# KiCad board Lon6Main.kicad_pcb
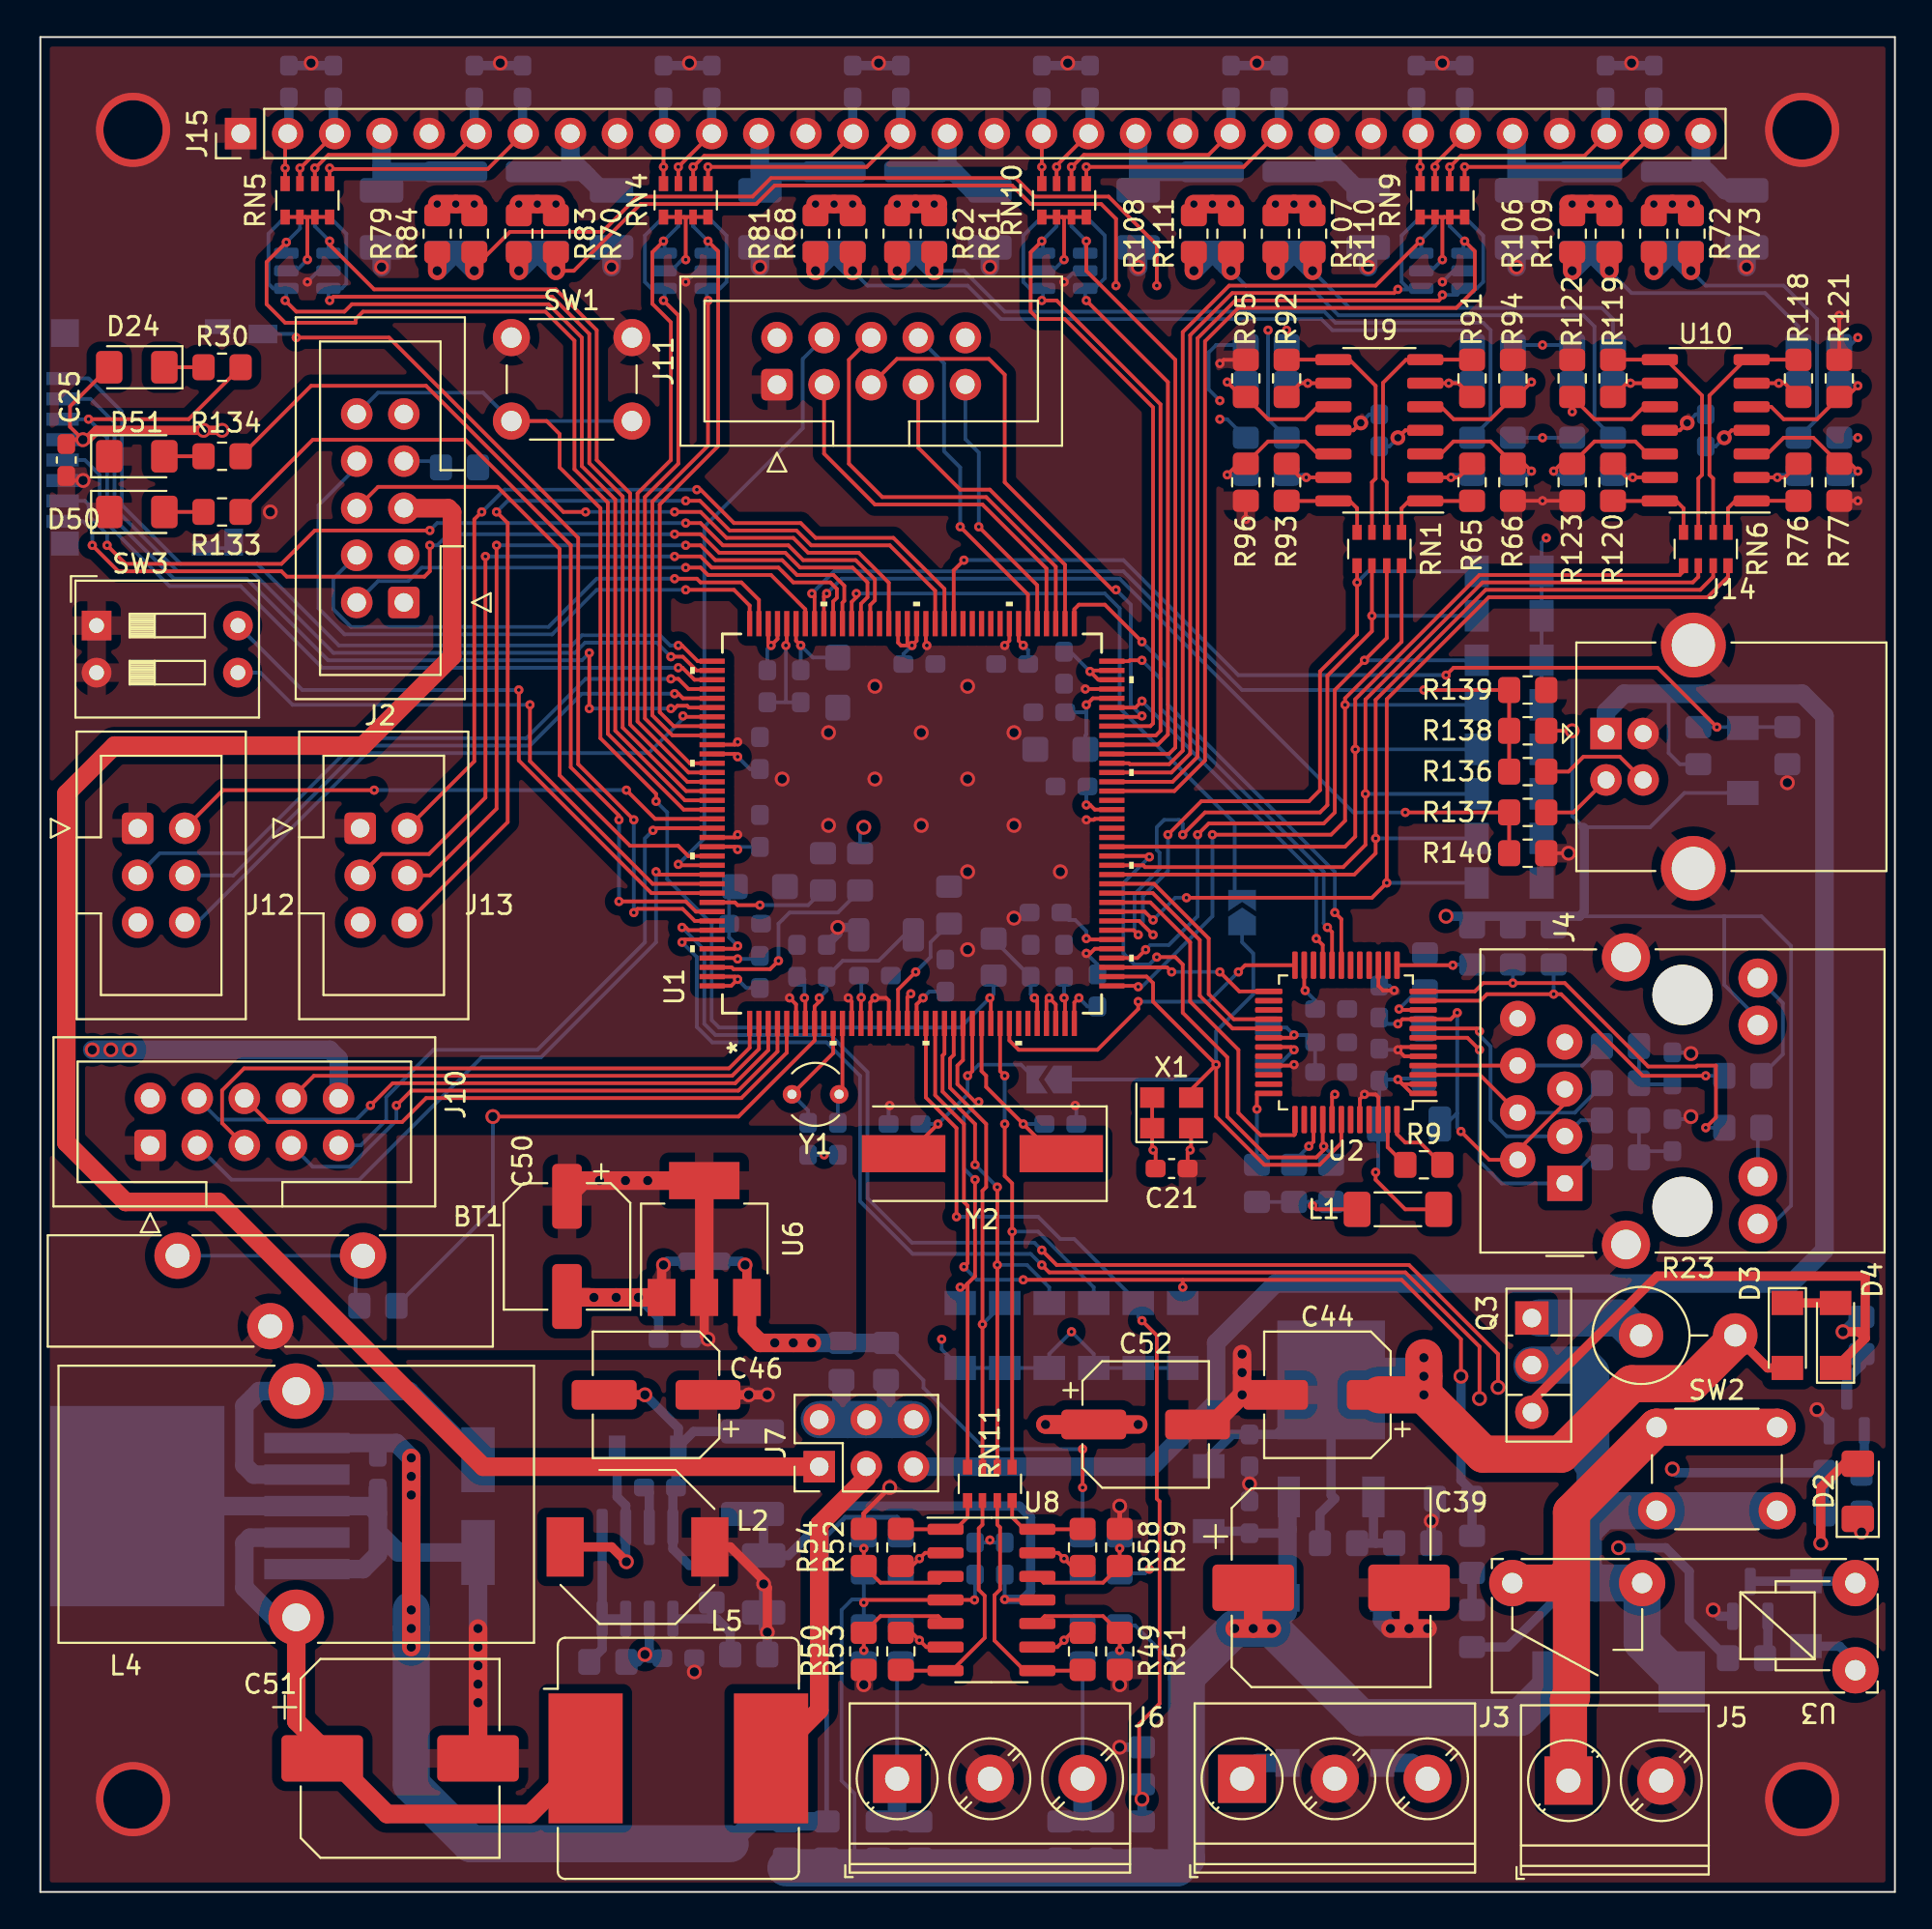
[diagram p0: board, top side]
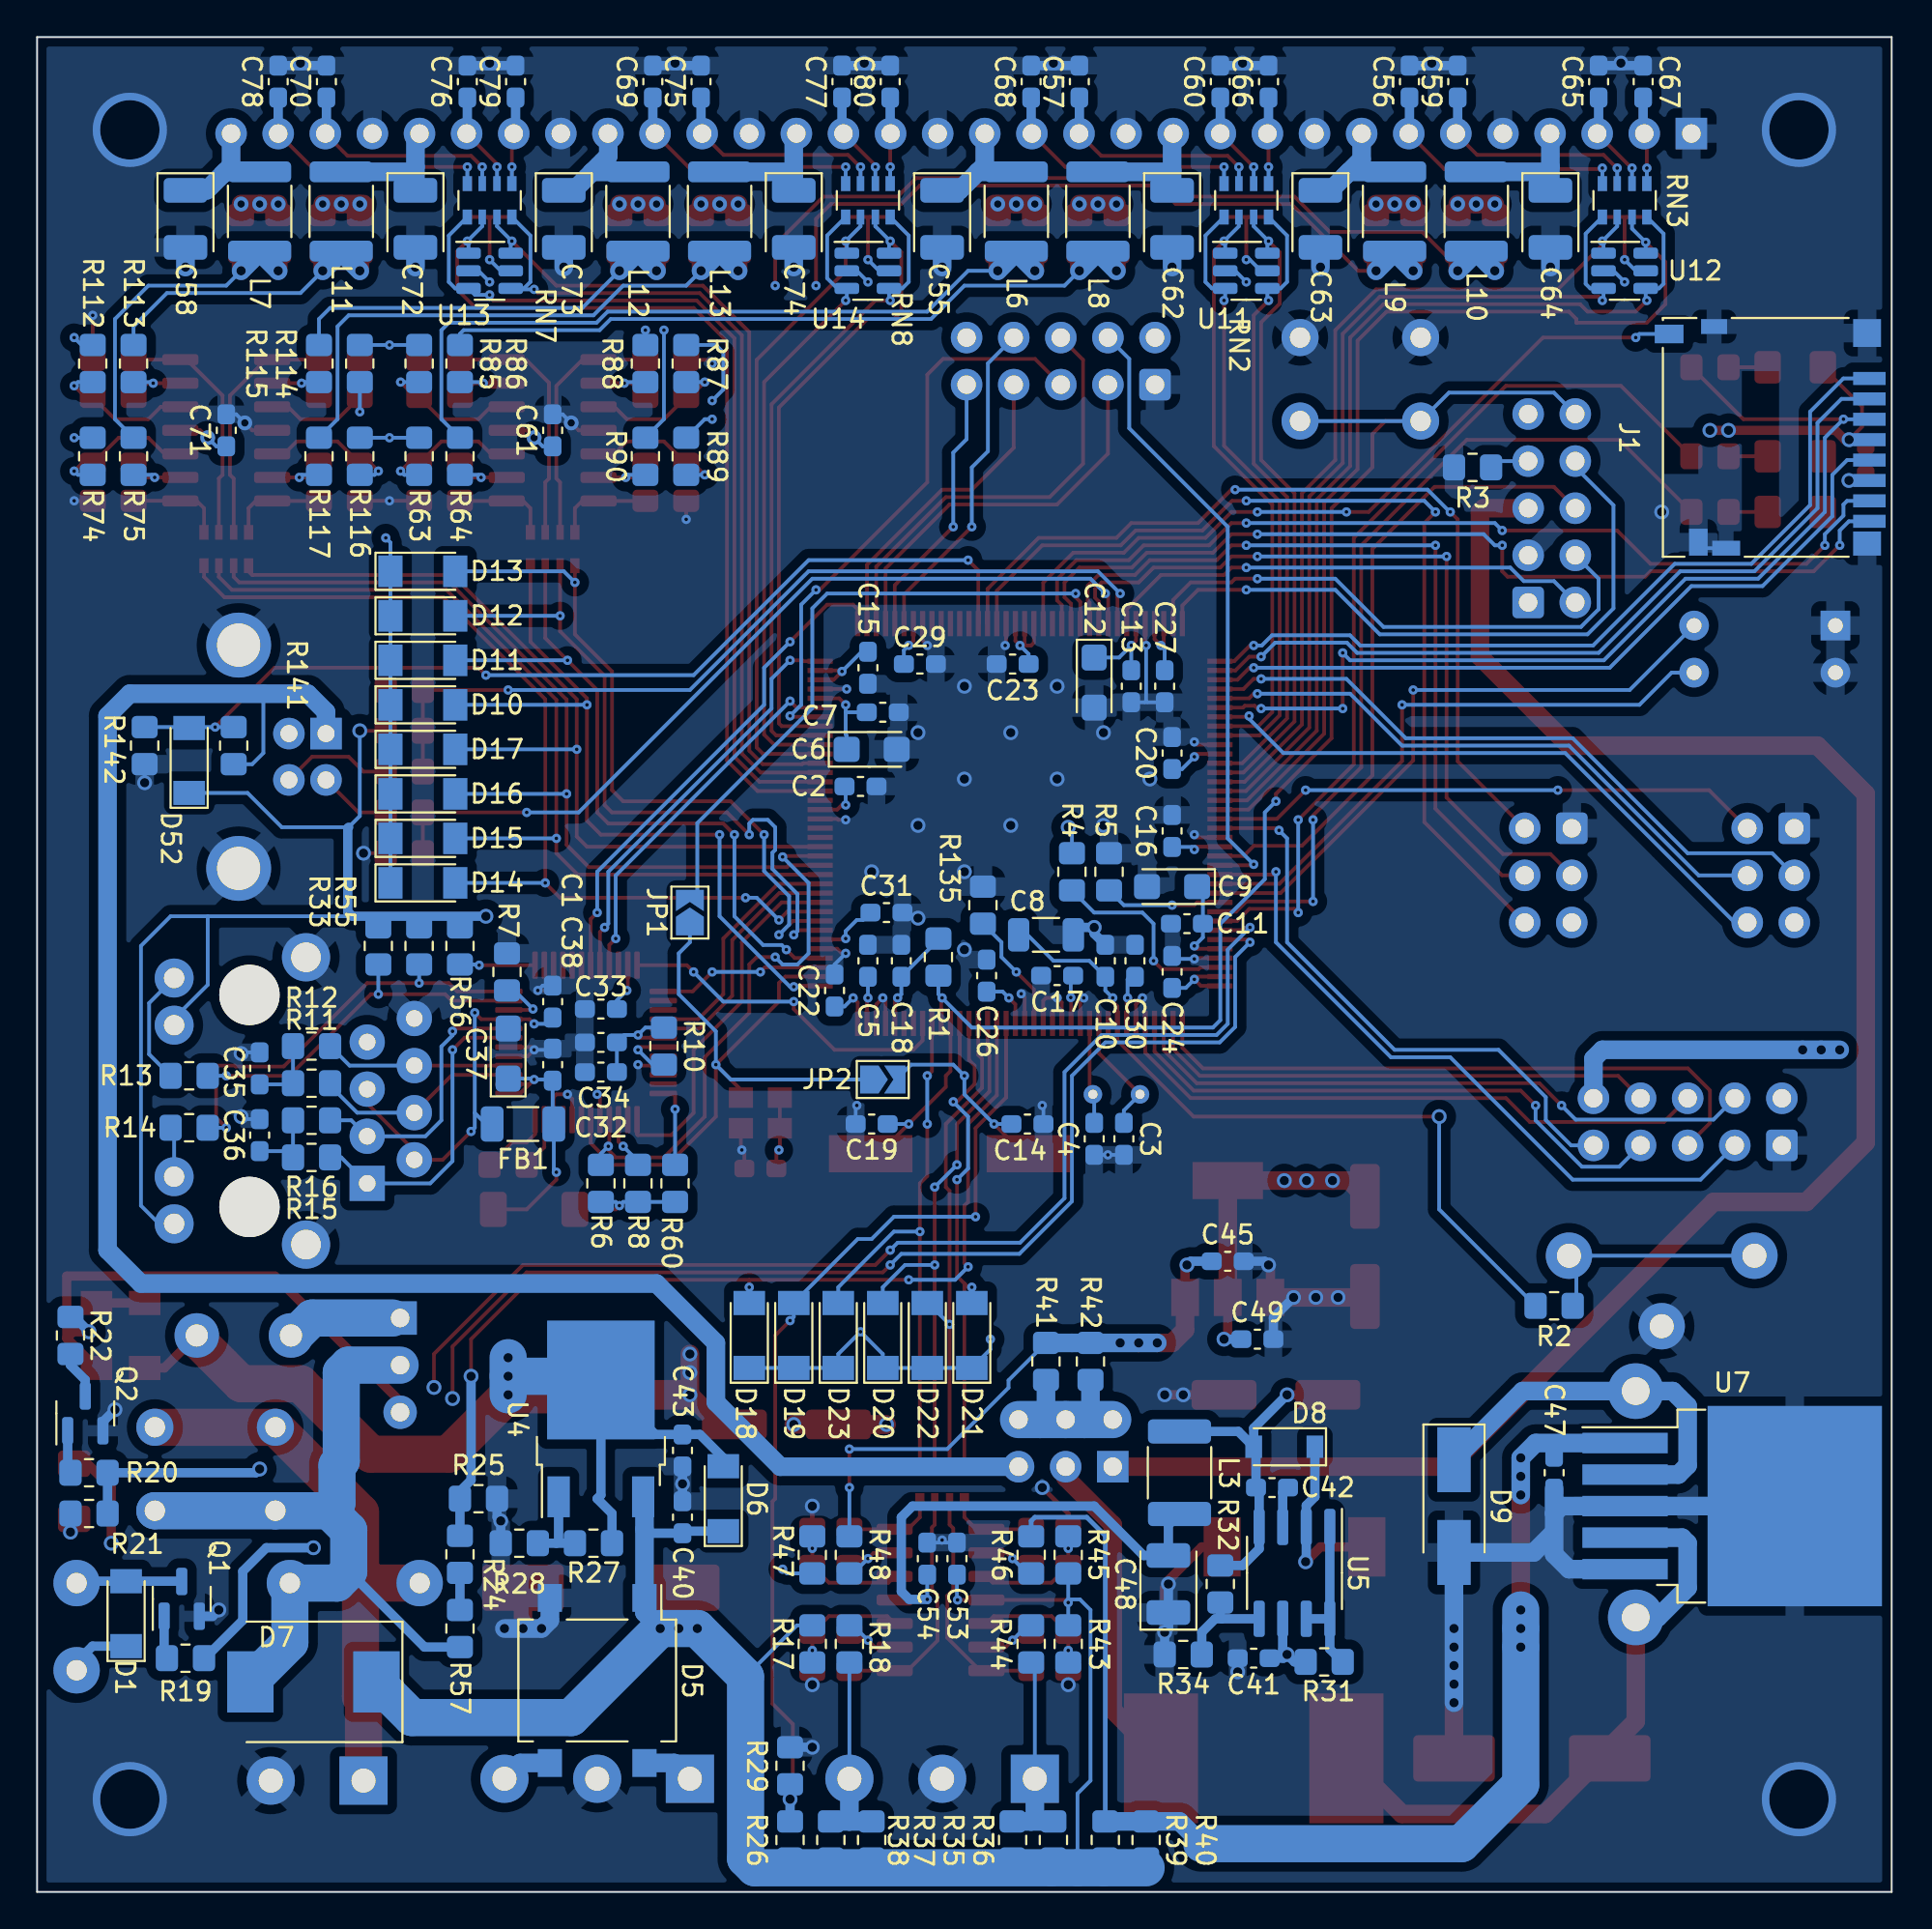
[diagram p1: board, bottom side, seen from below]

Outline 100 x 100 mm; copper layers: Top, In1.Cu, In2.Cu, Bottom. Coordinates in mm from the lower left corner of the outline.
Outline path: 0,100 0,0 100,0 100,100 0,100
Stack: Top 0.035mm / dielectric 1.51mm FR4 er 4.5 / In1.Cu 0.035mm / dielectric 1.51mm FR4 er 4.5 / In2.Cu 0.035mm / dielectric 1.51mm FR4 er 4.5 / Bottom 0.035mm

## Placement (name value [footprint] x y rotation side)
BT1  Battery_Cell  [DS-1092_CR2032_VERTICAL]  12.4 32.4 0 top
C1  100nF  [C_0603_1608Metric_Pad1.08x0.95mm_HandSolder]  72.2 48 90 bottom
C2  100nF  [C_0603_1608Metric_Pad1.08x0.95mm_HandSolder]  55.6 59.6 180 bottom
C3  10pF  [C_0603_1608Metric_Pad1.08x0.95mm_HandSolder]  41.4 40.6 90 bottom
C4  10pF  [C_0603_1608Metric_Pad1.08x0.95mm_HandSolder]  43 40.6 90 bottom
C5  100nF  [C_0603_1608Metric_Pad1.08x0.95mm_HandSolder]  55.2 50.2 90 bottom
C6  2.2uF  [CP_EIA-3216-18_Kemet-A]  55 61.6 180 bottom
C7  100nF  [C_0603_1608Metric_Pad1.08x0.95mm_HandSolder]  54.4 63.6 180 bottom
C8  1uF  [C_1206_3216Metric]  45.6 51.6 180 bottom
C9  2.2uF  [CP_EIA-3216-18_Kemet-A]  38.8 54.2 0 bottom
C10  100nF  [C_0603_1608Metric_Pad1.08x0.95mm_HandSolder]  42.4 50.2 90 bottom
C11  100nF  [C_0603_1608Metric_Pad1.08x0.95mm_HandSolder]  38 52.2 0 bottom
C12  2.2uF  [CP_EIA-3216-18_Kemet-A]  43 65.2 270 bottom
C13  100nF  [C_0603_1608Metric_Pad1.08x0.95mm_HandSolder]  41 65 270 bottom
C14  22pF  [C_0603_1608Metric_Pad1.08x0.95mm_HandSolder]  46.6 41.4 0 bottom
C15  100nF  [C_0603_1608Metric_Pad1.08x0.95mm_HandSolder]  55.2 66 270 bottom
C16  100nF  [C_0603_1608Metric_Pad1.08x0.95mm_HandSolder]  38.8 57.2 90 bottom
C17  100nF  [C_0603_1608Metric_Pad1.08x0.95mm_HandSolder]  45 49.4 0 bottom
C18  100nF  [C_0603_1608Metric_Pad1.08x0.95mm_HandSolder]  53.4 50.2 90 bottom
C19  22pF  [C_0603_1608Metric_Pad1.08x0.95mm_HandSolder]  55 41.4 180 bottom
C20  100nF  [C_0603_1608Metric_Pad1.08x0.95mm_HandSolder]  38.8 61.4 90 bottom
C21  100nF  [C_0603_1608Metric_Pad1.08x0.95mm_HandSolder]  61 39 0 top
C22  100nF  [C_0603_1608Metric_Pad1.08x0.95mm_HandSolder]  57 48.6 90 bottom
C23  100nF  [C_0603_1608Metric_Pad1.08x0.95mm_HandSolder]  47.4 66.2 0 bottom
C24  100nF  [C_0603_1608Metric_Pad1.08x0.95mm_HandSolder]  38.8 49.6 90 bottom
C25  100nF  [C_0603_1608Metric_Pad1.08x0.95mm_HandSolder]  1.4 77.2 270 top
C26  100nF  [C_0603_1608Metric_Pad1.08x0.95mm_HandSolder]  48.8 49.4 90 bottom
C27  100nF  [C_0603_1608Metric_Pad1.08x0.95mm_HandSolder]  39.2 65 270 bottom
C29  100nF  [C_0603_1608Metric_Pad1.08x0.95mm_HandSolder]  52.4 66.2 180 bottom
C30  100nF  [C_0603_1608Metric_Pad1.08x0.95mm_HandSolder]  40.8 50.2 90 bottom
C31  100nF  [C_0603_1608Metric_Pad1.08x0.95mm_HandSolder]  54.2 52.8 180 bottom
C32  100nF  [C_0603_1608Metric_Pad1.08x0.95mm_HandSolder]  69.6 44.2 0 bottom
C33  100nF  [C_0603_1608Metric_Pad1.08x0.95mm_HandSolder]  69.6 47.6 0 bottom
C34  100nF  [C_0603_1608Metric_Pad1.08x0.95mm_HandSolder]  69.6 45.8 0 bottom
C35  100nF  [C_0603_1608Metric_Pad1.08x0.95mm_HandSolder]  88 44.4 270 bottom
C36  100nF  [C_0603_1608Metric_Pad1.08x0.95mm_HandSolder]  88 40.8 270 bottom
C37  2.2uF  [CP_EIA-3216-18_Kemet-A]  74.6 45.2 90 bottom
C38  100nF  [C_0603_1608Metric_Pad1.08x0.95mm_HandSolder]  72.2 44.6 90 bottom
C39  330uF/35V  [CP_Elec_10x10.5]  69.6 16.4 0 top
C40  100nF  [C_0603_1608Metric_Pad1.08x0.95mm_HandSolder]  65.2 20.2 90 bottom
C41  100nF  [C_0603_1608Metric_Pad1.08x0.95mm_HandSolder]  34.4 12.6 0 bottom
C42  390pF  [C_0603_1608Metric_Pad1.08x0.95mm_HandSolder]  33.41 21.8 0 bottom
C43  100nF  [C_0603_1608Metric_Pad1.08x0.95mm_HandSolder]  65.2 23.8 270 bottom
C44  100uF/25V  [CP_Elec_6.3x5.3]  69.4 26.8 180 top
C45  100nF  [C_0603_1608Metric_Pad1.08x0.95mm_HandSolder]  35.8 34 180 bottom
C46  470uF/6.3V  [CP_Elec_6.3x5.9]  33.2 26.8 180 top
C47  100nF  [C_0603_1608Metric_Pad1.08x0.95mm_HandSolder]  18.2 22.6 270 bottom
C48  22uF/6.3V  [CP_EIA-3528-21_Kemet-B]  39 16.6 90 bottom
C49  100nF  [C_0603_1608Metric_Pad1.08x0.95mm_HandSolder]  34.2 29.8 180 bottom
C50  100uF 6.3V  [CP_Elec_6.3x5.7]  28.4 34.8 270 top
C51  1000uF/10V  [CP_Elec_10x10.5]  19.4 7.2 0 top
C52  100uF/10v  [CP_Elec_6.3x5.9]  59.6 25.2 0 top
C53  100nF  [C_0603_1608Metric_Pad1.08x0.95mm_HandSolder]  50.4 17.97 90 bottom
C54  100nF  [C_0603_1608Metric_Pad1.08x0.95mm_HandSolder]  52 17.97 270 bottom
C55  10uF 10V  [CP_EIA-3528-21_Kemet-B]  51.2 90.2 270 bottom
C56  10nF  [C_0603_1608Metric_Pad1.08x0.95mm_HandSolder]  26 97.6 90 bottom
C57  10nF  [C_0603_1608Metric_Pad1.08x0.95mm_HandSolder]  43.8 97.6 90 bottom
C58  10uF 10V  [CP_EIA-3528-21_Kemet-B]  92 90.2 270 bottom
C59  10nF  [C_0603_1608Metric_Pad1.08x0.95mm_HandSolder]  23.4 97.6 90 bottom
C60  10nF  [C_0603_1608Metric_Pad1.08x0.95mm_HandSolder]  36.2 97.6 90 bottom
C61  100nF  [C_0603_1608Metric_Pad1.08x0.95mm_HandSolder]  72.2 78.8 90 bottom
C62  10uF 10V  [CP_EIA-3528-21_Kemet-B]  38.8 90.2 270 bottom
C63  10uF 10V  [CP_EIA-3528-21_Kemet-B]  30.8 90.2 270 bottom
C64  10uF 10V  [CP_EIA-3528-21_Kemet-B]  18.4 90.2 270 bottom
C65  10nF  [C_0603_1608Metric_Pad1.08x0.95mm_HandSolder]  15.8 97.6 90 bottom
C66  10nF  [C_0603_1608Metric_Pad1.08x0.95mm_HandSolder]  33.6 97.6 90 bottom
C67  10nF  [C_0603_1608Metric_Pad1.08x0.95mm_HandSolder]  13.4 97.6 90 bottom
C68  10nF  [C_0603_1608Metric_Pad1.08x0.95mm_HandSolder]  46.4 97.6 90 bottom
C69  10nF  [C_0603_1608Metric_Pad1.08x0.95mm_HandSolder]  66.8 97.6 90 bottom
C70  10nF  [C_0603_1608Metric_Pad1.08x0.95mm_HandSolder]  84.4 97.6 90 bottom
C71  100nF  [C_0603_1608Metric_Pad1.08x0.95mm_HandSolder]  89.8 78.8 90 bottom
C72  10uF 10V  [CP_EIA-3528-21_Kemet-B]  79.6 90.2 270 bottom
C73  10uF 10V  [CP_EIA-3528-21_Kemet-B]  71.6 90.2 270 bottom
C74  10uF 10V  [CP_EIA-3528-21_Kemet-B]  59.2 90.2 270 bottom
C75  10nF  [C_0603_1608Metric_Pad1.08x0.95mm_HandSolder]  64.2 97.6 90 bottom
C76  10nF  [C_0603_1608Metric_Pad1.08x0.95mm_HandSolder]  76.8 97.6 90 bottom
C77  10nF  [C_0603_1608Metric_Pad1.08x0.95mm_HandSolder]  56.6 97.6 90 bottom
C78  10nF  [C_0603_1608Metric_Pad1.08x0.95mm_HandSolder]  87 97.6 90 bottom
C79  10nF  [C_0603_1608Metric_Pad1.08x0.95mm_HandSolder]  74.2 97.6 90 bottom
C80  10nF  [C_0603_1608Metric_Pad1.08x0.95mm_HandSolder]  54 97.6 90 bottom
D1  1n4148  [D_MiniMELF]  95.2 15 90 bottom
D2  ACU_LED  [LED_1206_3216Metric_Pad1.42x1.75mm_HandSolder]  98 21.6 90 top
D3  1n4148  [D_MiniMELF]  94.2 30 270 top
D4  1n4148  [D_MiniMELF]  96.8 30 90 top
D5  DF01S1  [Diode_Bridge_OnSemi_SDIP-4L]  69.8 11.4 270 bottom
D6  1n4148  [D_MiniMELF]  63 21.2 90 bottom
D7  FR3J-DC  [D_SMC]  85.1 11.32 0 bottom
D8  1N5819  [D_SOD-123]  32.75 24 0 bottom
D9  B340A  [D_SMA_Handsoldering]  23.6 20.8 270 bottom
D10  1n4148  [D_MiniMELF]  79.2 64 180 bottom
D11  1n4148  [D_MiniMELF]  79.2 66.4 180 bottom
D12  1n4148  [D_MiniMELF]  79.2 68.8 180 bottom
D13  1n4148  [D_MiniMELF]  79.2 71.2 180 bottom
D14  1n4148  [D_MiniMELF]  79.2 54.4 180 bottom
D15  1n4148  [D_MiniMELF]  79.2 56.8 180 bottom
D16  1n4148  [D_MiniMELF]  79.2 59.2 180 bottom
D17  1n4148  [D_MiniMELF]  79.2 61.6 180 bottom
D18  1n4148  [D_MiniMELF]  61.6 30 90 bottom
D19  1n4148  [D_MiniMELF]  59.2 30 90 bottom
D20  1n4148  [D_MiniMELF]  54.4 30 90 bottom
D21  1n4148  [D_MiniMELF]  49.6 30 90 bottom
D22  1n4148  [D_MiniMELF]  52 30 90 bottom
D23  1n4148  [D_MiniMELF]  56.8 30 90 bottom
D24  LED_SD  [LED_1206_3216Metric_Pad1.42x1.75mm_HandSolder]  5.2 82.2 180 top
D50  LED1  [LED_1206_3216Metric_Pad1.42x1.75mm_HandSolder]  5.2 74.4 0 top
D51  LED2  [LED_1206_3216Metric_Pad1.42x1.75mm_HandSolder]  5.2 77.4 0 top
D52  1n4148  [D_MiniMELF]  91.8 61 90 bottom
FB1  FerriteBead_Small  [L_1206_3216Metric_Pad1.22x1.90mm_HandSolder]  73.8 41.4 0 bottom
J1  Micro_SD_Card_Det  [microSD_HC_Hirose_DM3D-SF]  6.55 78.42 90 bottom
J2  jtag  [IDC-Header_2x05_P2.54mm_Vertical]  19.6 69.52 180 top
J3  AC_IN  [TerminalBlock_Phoenix_PT-1,5-3-5.0-H_1x03_P5.00mm_Horizontal]  64.8 6.1 0 top
J4  -  [RJ45_Bel_SI-60062-F]  82.2 38.2 90 top
J5  ACU  [TerminalBlock_Phoenix_PT-1,5-2-5.0-H_1x02_P5.00mm_Horizontal]  82.4 6 0 top
J6  EXT_AC  [TerminalBlock_Phoenix_PT-1,5-3-5.0-H_1x03_P5.00mm_Horizontal]  46.2 6.1 0 top
J7  Conn_02x03_Odd_Even  [PinHeader_2x03_P2.54mm_Vertical]  42 22.92 90 top
J10  SPI1  [IDC-Header_2x05_P2.54mm_Vertical]  5.92 40.25 90 top
J11  SPI2  [IDC-Header_2x05_P2.54mm_Vertical]  39.72 81.26 90 top
J12  CAN  [IDC-Header_2x03_P2.54mm_Vertical]  5.25 57.34 0 top
J13  USART  [IDC-Header_2x03_P2.54mm_Vertical]  17.25 57.34 0 top
J14  USB_B  [USB_B_OST_USB-B1HSxx_Horizontal]  84.42 62.45 0 top
J15  Conn_01x32  [PinHeader_1x32_P2.54mm_Vertical]  10.8 94.8 90 top
JP1  SolderJumper_2_Open  [SolderJumper-2_P1.3mm_Open_TrianglePad1.0x1.5mm]  64.8 52.8 90 bottom
JP2  SolderJumper_2_Open  [SolderJumper-2_P1.3mm_Open_TrianglePad1.0x1.5mm]  54.4 43.8 180 bottom
L1  4.7uH  [L_1806_4516Metric_Pad1.45x1.90mm_HandSolder]  73.2 36.8 0 top
L2  100uH 0.5A  [L_Bourns-SRU8028_8.0x8.0mm]  32.2 18.6 0 top
L3  1uH  [L_1812_4532Metric_Pad1.30x3.40mm_HandSolder]  38.4 22.6 270 bottom
L4  100uH 5A  [L_Toroid_Vertical_L25.4mm_W14.7mm_P12.20mm_Vishay_TJ5_BigPads]  13.8 27 0 top
L5  22uH 5A  [L_Bourns_SRR1208_12.7x12.7mm]  34.4 7.2 0 top
L6  1uH 0.8A  [L_1812_4532Metric]  47.2 90.6 90 bottom
L7  1uH 0.8A  [L_1812_4532Metric]  88 90.6 90 bottom
L8  1uH 0.8A  [L_1812_4532Metric]  42.8 90.6 90 bottom
L9  1uH 0.8A  [L_1812_4532Metric]  26.8 90.6 90 bottom
L10  1uH 0.8A  [L_1812_4532Metric]  22.4 90.6 90 bottom
L11  1uH 0.8A  [L_1812_4532Metric]  83.6 90.6 90 bottom
L12  1uH 0.8A  [L_1812_4532Metric]  67.6 90.6 90 bottom
L13  1uH 0.8A  [L_1812_4532Metric]  63.2 90.6 90 bottom
Q1  BC847  [SOT-23]  92.2 15.8 90 bottom
Q2  BC847  [SOT-23]  97.4 25.8 90 bottom
Q3  BD140  [TO-126-3_Vertical]  80.43 30.94 270 top
R1  1k  [R_0805_2012Metric_Pad1.20x1.40mm_HandSolder]  51.4 50.4 270 bottom
R2  100  [R_0805_2012Metric_Pad1.20x1.40mm_HandSolder]  18.2 31.6 0 bottom
R3  100  [R_0805_2012Metric_Pad1.20x1.40mm_HandSolder]  22.6 76.8 0 bottom
R4  1k  [R_0805_2012Metric_Pad1.20x1.40mm_HandSolder]  44.2 55 90 bottom
R5  1k  [R_0805_2012Metric_Pad1.20x1.40mm_HandSolder]  42.2 55 90 bottom
R6  10k  [R_0805_2012Metric_Pad1.20x1.40mm_HandSolder]  69.6 38.2 90 bottom
R7  10k  [R_0805_2012Metric_Pad1.20x1.40mm_HandSolder]  74.66 49.6 270 bottom
R8  10k  [R_0805_2012Metric_Pad1.20x1.40mm_HandSolder]  67.6 38.2 90 bottom
R9  6.8k 1%  [R_0805_2012Metric_Pad1.20x1.40mm_HandSolder]  74.6 39.2 0 top
R10  10k  [R_0805_2012Metric_Pad1.20x1.40mm_HandSolder]  66.2 45.6 90 bottom
R11  50R  [R_0805_2012Metric_Pad1.20x1.40mm_HandSolder]  85.2 43.6 180 bottom
R12  50R  [R_0805_2012Metric_Pad1.20x1.40mm_HandSolder]  85.2 45.6 180 bottom
R13  1k  [R_0805_2012Metric_Pad1.20x1.40mm_HandSolder]  91.8 44 0 bottom
R14  1k  [R_0805_2012Metric_Pad1.20x1.40mm_HandSolder]  91.8 41.2 0 bottom
R15  50R  [R_0805_2012Metric_Pad1.20x1.40mm_HandSolder]  85.2 39.6 180 bottom
R16  50R  [R_0805_2012Metric_Pad1.20x1.40mm_HandSolder]  85.2 41.6 180 bottom
R17  2k 1%  [R_0805_2012Metric_Pad1.20x1.40mm_HandSolder]  58.2 13.37 270 bottom
R18  2k 1%  [R_0805_2012Metric_Pad1.20x1.40mm_HandSolder]  56.2 13.37 90 bottom
R19  4.7k  [R_0805_2012Metric_Pad1.20x1.40mm_HandSolder]  92 12.6 180 bottom
R20  4.7k  [R_0805_2012Metric_Pad1.20x1.40mm_HandSolder]  97.2 22.6 180 bottom
R21  1k  [R_0805_2012Metric_Pad1.20x1.40mm_HandSolder]  97.2 20.4 0 bottom
R22  1k  [R_0805_2012Metric_Pad1.20x1.40mm_HandSolder]  98.2 30 90 bottom
R23  1R 1W  [R_Axial_DIN0516_L15.5mm_D5.0mm_P5.08mm_Vertical]  86.31 30 0 top
R24  2k 1%  [R_0805_2012Metric_Pad1.20x1.40mm_HandSolder]  77.2 18.2 270 bottom
R25  1k 1%  [R_0805_2012Metric_Pad1.20x1.40mm_HandSolder]  76.2 21.2 0 bottom
R26  18k 1%  [R_0805_2012Metric_Pad1.20x1.40mm_HandSolder]  59.4 2.8 270 bottom
R27  100  [R_0805_2012Metric_Pad1.20x1.40mm_HandSolder]  70 18.8 180 bottom
R28  1k  [R_0805_2012Metric_Pad1.20x1.40mm_HandSolder]  74 18.8 180 bottom
R29  2k 1%  [R_0805_2012Metric_Pad1.20x1.40mm_HandSolder]  59.4 6.8 270 bottom
R30  1k  [R_0805_2012Metric_Pad1.20x1.40mm_HandSolder]  9.8 82.2 0 top
R31  0.33R  [R_0805_2012Metric_Pad1.20x1.40mm_HandSolder]  30.6 12.4 180 bottom
R32  1.5k  [R_0805_2012Metric_Pad1.20x1.40mm_HandSolder]  36.2 16.6 90 bottom
R33  10k  [R_0805_2012Metric_Pad1.20x1.40mm_HandSolder]  81.6 51 90 bottom
R34  4.7k  [R_0805_2012Metric_Pad1.20x1.40mm_HandSolder]  38.2 12.8 180 bottom
R35  0.5R  [R_0805_2012Metric_Pad1.20x1.40mm_HandSolder]  47.4 2.8 270 bottom
R36  0.5R  [R_0805_2012Metric_Pad1.20x1.40mm_HandSolder]  45.2 2.8 270 bottom
R37  0.5R  [R_0805_2012Metric_Pad1.20x1.40mm_HandSolder]  55 2.8 270 bottom
R38  0.5R  [R_0805_2012Metric_Pad1.20x1.40mm_HandSolder]  57.2 2.8 270 bottom
R39  0.5R  [R_0805_2012Metric_Pad1.20x1.40mm_HandSolder]  42.4 2.8 90 bottom
R40  0.5R  [R_0805_2012Metric_Pad1.20x1.40mm_HandSolder]  40.2 2.8 90 bottom
R41  0.5R  [R_0805_2012Metric_Pad1.20x1.40mm_HandSolder]  45.6 28.6 90 bottom
R42  0.5R  [R_0805_2012Metric_Pad1.20x1.40mm_HandSolder]  43.2 28.6 90 bottom
R43  2k 1%  [R_0805_2012Metric_Pad1.20x1.40mm_HandSolder]  44.4 13.37 270 bottom
R44  2k 1%  [R_0805_2012Metric_Pad1.20x1.40mm_HandSolder]  46.4 13.37 90 bottom
R45  2k 1%  [R_0805_2012Metric_Pad1.20x1.40mm_HandSolder]  44.4 18.17 90 bottom
R46  2k 1%  [R_0805_2012Metric_Pad1.20x1.40mm_HandSolder]  46.4 18.17 270 bottom
R47  2k 1%  [R_0805_2012Metric_Pad1.20x1.40mm_HandSolder]  58.2 18.17 90 bottom
R48  2k 1%  [R_0805_2012Metric_Pad1.20x1.40mm_HandSolder]  56.2 18.17 270 bottom
R49  18k 1%  [R_0805_2012Metric_Pad1.20x1.40mm_HandSolder]  56.2 12.97 270 top
R50  18k 1%  [R_0805_2012Metric_Pad1.20x1.40mm_HandSolder]  46.4 12.97 270 top
R51  18k 1%  [R_0805_2012Metric_Pad1.20x1.40mm_HandSolder]  58.2 12.97 270 top
R52  18k 1%  [R_0805_2012Metric_Pad1.20x1.40mm_HandSolder]  46.4 18.57 90 top
R53  18k 1%  [R_0805_2012Metric_Pad1.20x1.40mm_HandSolder]  44.4 12.97 270 top
R54  18k 1%  [R_0805_2012Metric_Pad1.20x1.40mm_HandSolder]  44.4 18.57 90 top
R55  10k  [R_0805_2012Metric_Pad1.20x1.40mm_HandSolder]  79.4 51 90 bottom
R56  10k  [R_0805_2012Metric_Pad1.20x1.40mm_HandSolder]  77.2 51 90 bottom
R57  2k 1%  [R_0805_2012Metric_Pad1.20x1.40mm_HandSolder]  77.2 14.2 270 bottom
R58  18k 1%  [R_0805_2012Metric_Pad1.20x1.40mm_HandSolder]  56.2 18.57 90 top
R59  18k 1%  [R_0805_2012Metric_Pad1.20x1.40mm_HandSolder]  58.2 18.57 90 top
R60  10k  [R_0805_2012Metric_Pad1.20x1.40mm_HandSolder]  65.6 38.2 90 bottom
R61  0.5 1%  [R_0805_2012Metric_Pad1.20x1.40mm_HandSolder]  48.2 89.4 90 top
R62  0.5 1%  [R_0805_2012Metric_Pad1.20x1.40mm_HandSolder]  46.2 89.4 90 top
R63  2k 1%  [R_0805_2012Metric_Pad1.20x1.40mm_HandSolder]  79.4 77.4 270 bottom
R64  2k 1%  [R_0805_2012Metric_Pad1.20x1.40mm_HandSolder]  77.2 77.4 270 bottom
R65  18k 1%  [R_0805_2012Metric_Pad1.20x1.40mm_HandSolder]  77.2 76 270 top
R66  18k 1%  [R_0805_2012Metric_Pad1.20x1.40mm_HandSolder]  79.4 76 270 top
R68  0.5 1%  [R_0805_2012Metric_Pad1.20x1.40mm_HandSolder]  43.8 89.4 90 top
R70  0.5 1%  [R_0805_2012Metric_Pad1.20x1.40mm_HandSolder]  27.8 89.4 90 top
R72  0.5 1%  [R_0805_2012Metric_Pad1.20x1.40mm_HandSolder]  87 89.4 90 top
R73  0.5 1%  [R_0805_2012Metric_Pad1.20x1.40mm_HandSolder]  89 89.4 90 top
R74  2k 1%  [R_0805_2012Metric_Pad1.20x1.40mm_HandSolder]  97 77.4 270 bottom
R75  2k 1%  [R_0805_2012Metric_Pad1.20x1.40mm_HandSolder]  94.8 77.4 270 bottom
R76  18k 1%  [R_0805_2012Metric_Pad1.20x1.40mm_HandSolder]  94.8 76 270 top
R77  18k 1%  [R_0805_2012Metric_Pad1.20x1.40mm_HandSolder]  97 76 270 top
R79  0.5 1%  [R_0805_2012Metric_Pad1.20x1.40mm_HandSolder]  21.4 89.4 90 top
R81  0.5 1%  [R_0805_2012Metric_Pad1.20x1.40mm_HandSolder]  41.8 89.4 90 top
R83  0.5 1%  [R_0805_2012Metric_Pad1.20x1.40mm_HandSolder]  25.8 89.4 90 top
R84  0.5 1%  [R_0805_2012Metric_Pad1.20x1.40mm_HandSolder]  23.4 89.4 90 top
R85  2k 1%  [R_0805_2012Metric_Pad1.20x1.40mm_HandSolder]  79.4 82.4 270 bottom
R86  2k 1%  [R_0805_2012Metric_Pad1.20x1.40mm_HandSolder]  77.2 82.4 270 bottom
R87  2k 1%  [R_0805_2012Metric_Pad1.20x1.40mm_HandSolder]  65 82.4 270 bottom
R88  2k 1%  [R_0805_2012Metric_Pad1.20x1.40mm_HandSolder]  67.2 82.4 270 bottom
R89  2k 1%  [R_0805_2012Metric_Pad1.20x1.40mm_HandSolder]  65 77.4 270 bottom
R90  2k 1%  [R_0805_2012Metric_Pad1.20x1.40mm_HandSolder]  67.2 77.4 270 bottom
R91  18k 1%  [R_0805_2012Metric_Pad1.20x1.40mm_HandSolder]  77.2 81.6 90 top
R92  18k 1%  [R_0805_2012Metric_Pad1.20x1.40mm_HandSolder]  67.2 81.6 90 top
R93  18k 1%  [R_0805_2012Metric_Pad1.20x1.40mm_HandSolder]  67.2 76 270 top
R94  18k 1%  [R_0805_2012Metric_Pad1.20x1.40mm_HandSolder]  79.4 81.6 90 top
R95  18k 1%  [R_0805_2012Metric_Pad1.20x1.40mm_HandSolder]  65 81.6 90 top
R96  18k 1%  [R_0805_2012Metric_Pad1.20x1.40mm_HandSolder]  65 76 270 top
R106  0.5 1%  [R_0805_2012Metric_Pad1.20x1.40mm_HandSolder]  82.6 89.4 90 top
R107  0.5 1%  [R_0805_2012Metric_Pad1.20x1.40mm_HandSolder]  66.6 89.4 90 top
R108  0.5 1%  [R_0805_2012Metric_Pad1.20x1.40mm_HandSolder]  62.2 89.4 90 top
R109  0.5 1%  [R_0805_2012Metric_Pad1.20x1.40mm_HandSolder]  84.6 89.4 90 top
R110  0.5 1%  [R_0805_2012Metric_Pad1.20x1.40mm_HandSolder]  68.6 89.4 90 top
R111  0.5 1%  [R_0805_2012Metric_Pad1.20x1.40mm_HandSolder]  64.2 89.4 90 top
R112  2k 1%  [R_0805_2012Metric_Pad1.20x1.40mm_HandSolder]  97 82.4 270 bottom
R113  2k 1%  [R_0805_2012Metric_Pad1.20x1.40mm_HandSolder]  94.8 82.4 270 bottom
R114  2k 1%  [R_0805_2012Metric_Pad1.20x1.40mm_HandSolder]  82.6 82.4 270 bottom
R115  2k 1%  [R_0805_2012Metric_Pad1.20x1.40mm_HandSolder]  84.8 82.4 270 bottom
R116  2k 1%  [R_0805_2012Metric_Pad1.20x1.40mm_HandSolder]  82.6 77.4 270 bottom
R117  2k 1%  [R_0805_2012Metric_Pad1.20x1.40mm_HandSolder]  84.8 77.4 270 bottom
R118  18k 1%  [R_0805_2012Metric_Pad1.20x1.40mm_HandSolder]  94.8 81.6 90 top
R119  18k 1%  [R_0805_2012Metric_Pad1.20x1.40mm_HandSolder]  84.8 81.6 90 top
R120  18k 1%  [R_0805_2012Metric_Pad1.20x1.40mm_HandSolder]  84.8 76 270 top
R121  18k 1%  [R_0805_2012Metric_Pad1.20x1.40mm_HandSolder]  97 81.6 90 top
R122  18k 1%  [R_0805_2012Metric_Pad1.20x1.40mm_HandSolder]  82.6 81.6 90 top
R123  18k 1%  [R_0805_2012Metric_Pad1.20x1.40mm_HandSolder]  82.6 76 270 top
R133  1k  [R_0805_2012Metric_Pad1.20x1.40mm_HandSolder]  9.8 74.4 0 top
R134  1k  [R_0805_2012Metric_Pad1.20x1.40mm_HandSolder]  9.8 77.4 0 top
R135  0  [R_0805_2012Metric_Pad1.20x1.40mm_HandSolder]  49 53.2 270 bottom
R136  27  [R_0805_2012Metric_Pad1.20x1.40mm_HandSolder]  80.2 60.4 180 top
R137  27  [R_0805_2012Metric_Pad1.20x1.40mm_HandSolder]  80.2 58.2 180 top
R138  1.5k  [R_0805_2012Metric_Pad1.20x1.40mm_HandSolder]  80.2 62.6 0 top